# KiCad board ebaz4205.kicad_pcb (continued)
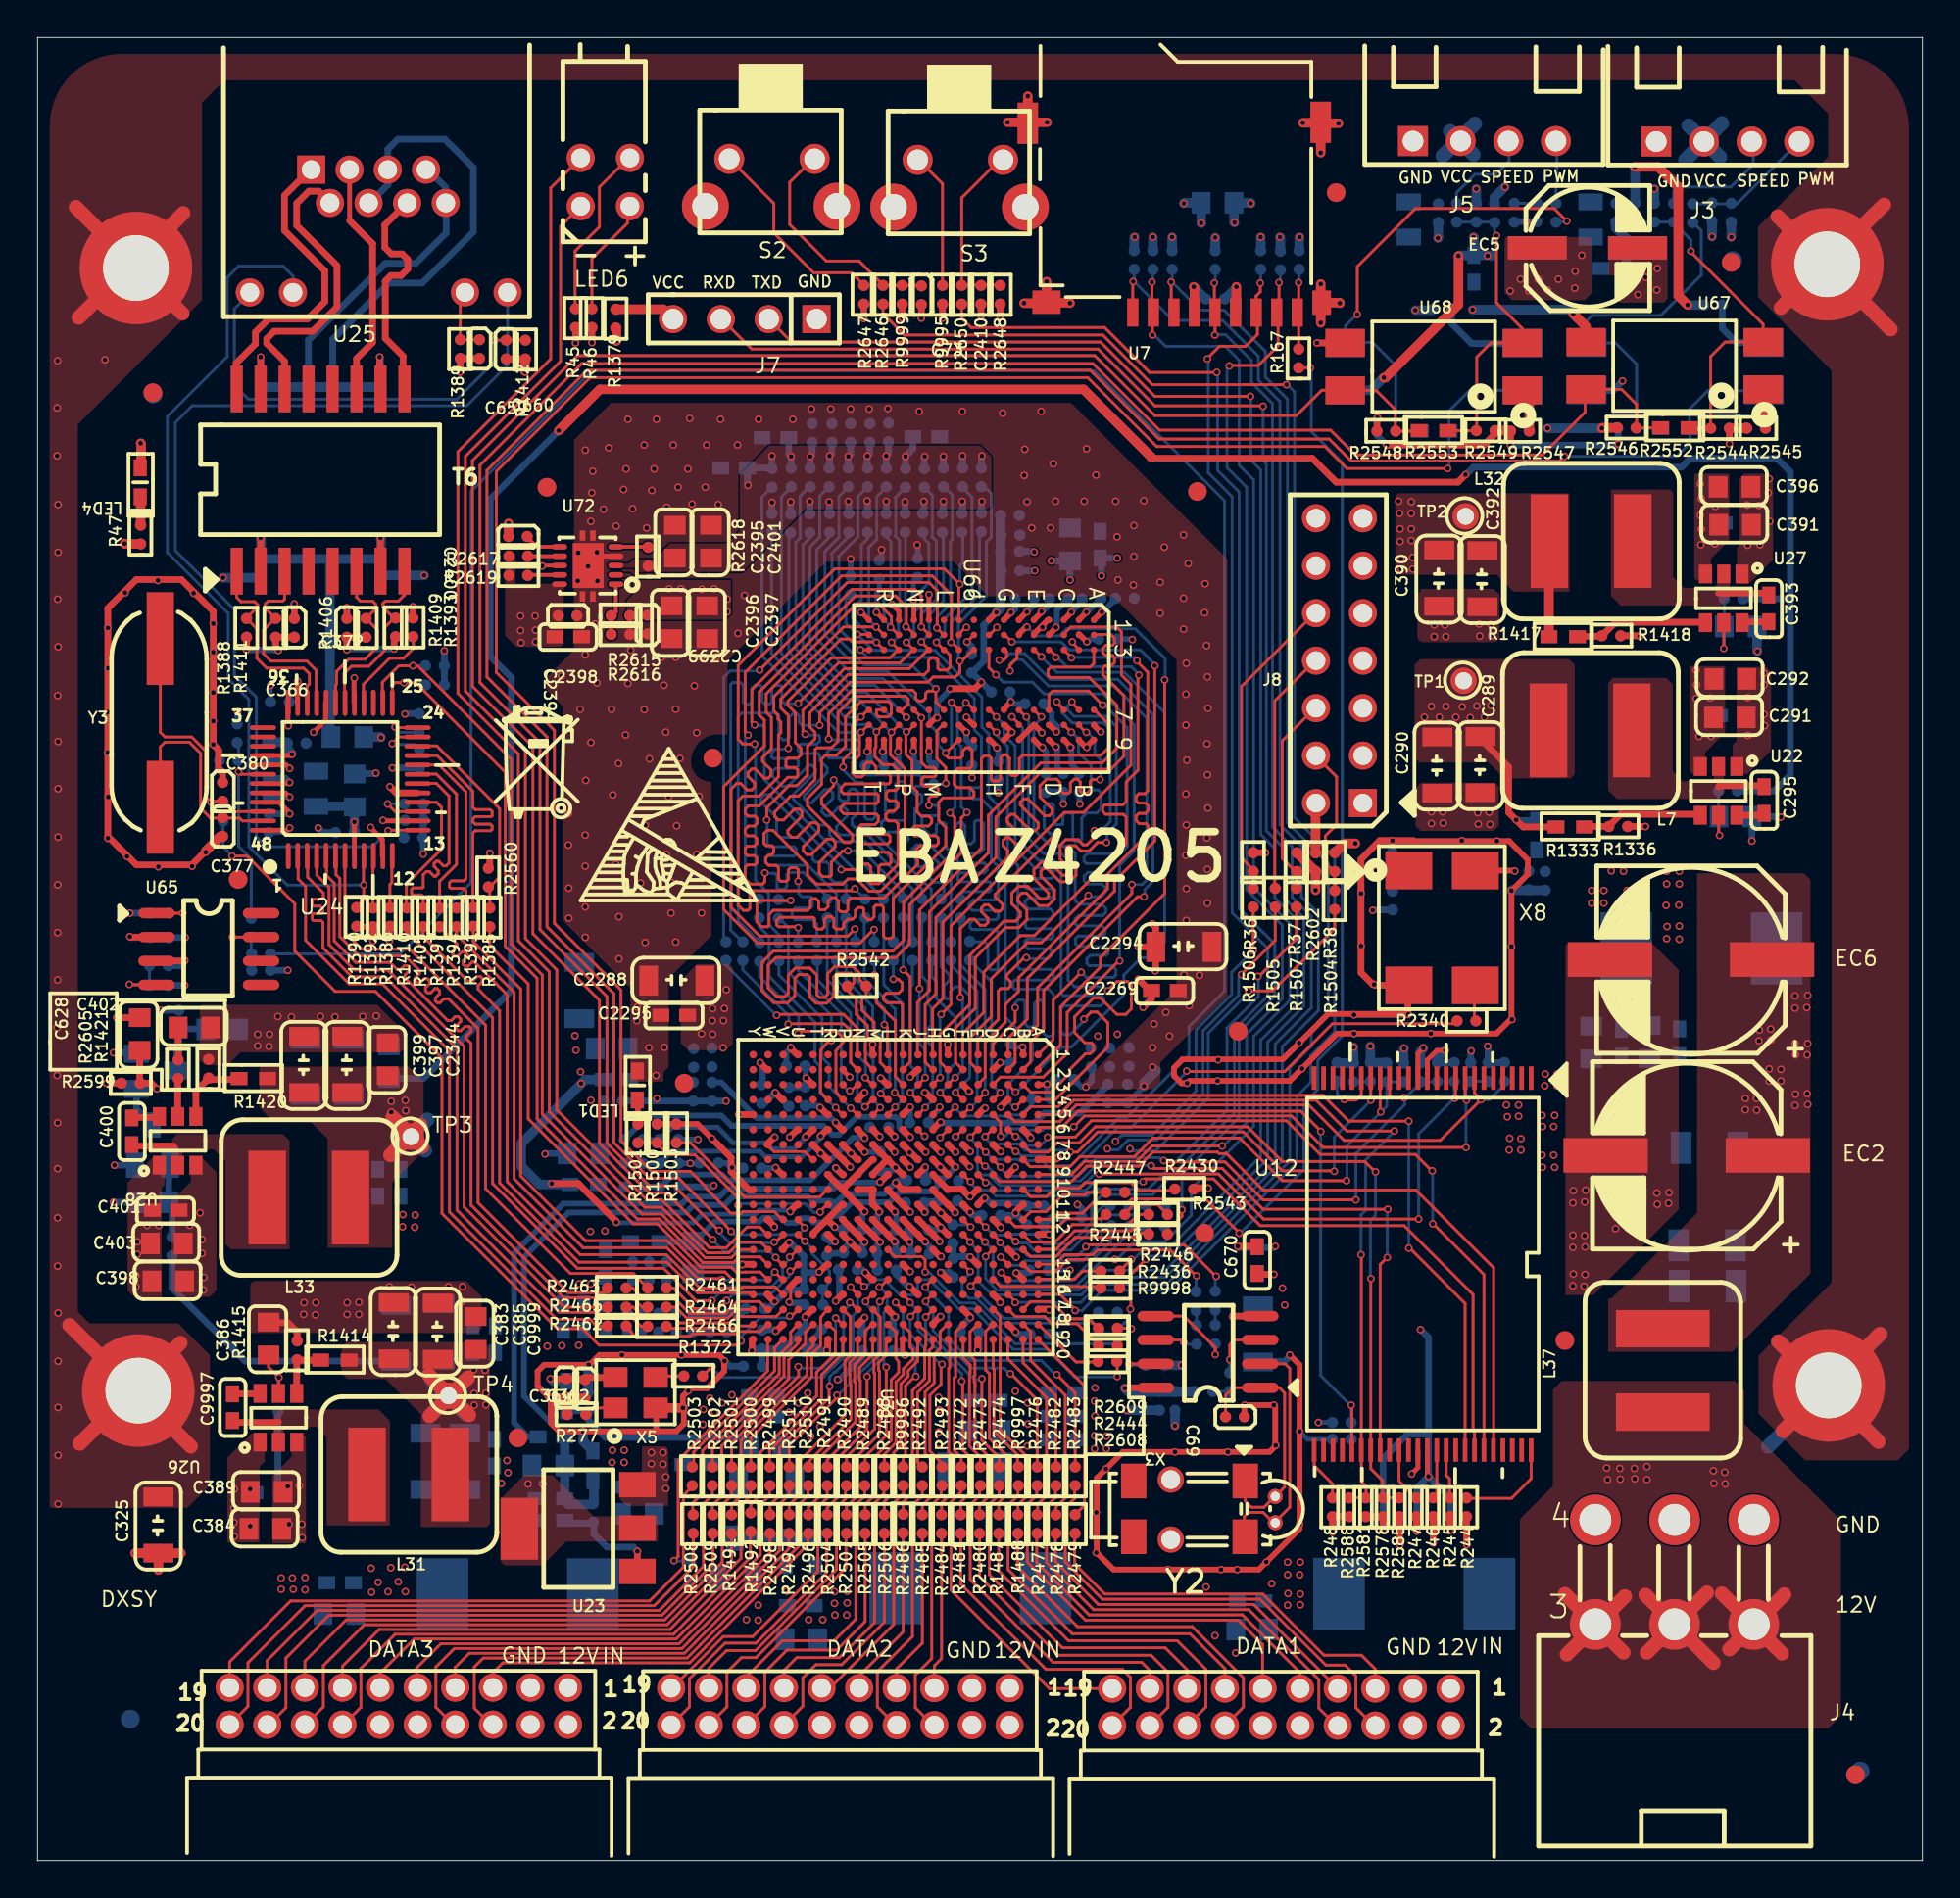
[diagram p0: board, top side]
## Routing (per net, layer and track width the routed paths; a pad name or vN(x,y) marks a point on that pad's centre or on a via; arc(x,y) is an arc through that point) (continued)
DATA3-14_0: length 12.1
  Top Layer w0.152: U31.R19 42.56,28.27 42.56,27.05 41.56,26.06 41.56,24.78 38.55,21.78 38.55,19.5 38.05,19 R1492.2
DATA3-15_0: length 11.5
  Top Layer w0.152: v1(40.58,26.35) 40.6,26.33 40.6,25.85 37.03,22.28 37.03,21.03 37.05,21 ; 42.93,28.63 42.6,28.95 42.6,28.95
  Bottom Layer w0.152: 42.55,28.8 42.58,28.78 42.58,26.98 41.88,26.28 40.65,26.28 v1(40.58,26.35)
  vias: v1(42.58,28.95)
DATA3-16_0: length 11.2
  Top Layer w0.152: 41.38,27.83 41.38,27.48 41.05,27.15 41.05,25.93 37.53,22.4 37.53,19.48 37.03,18.98 R1491.2
DATA3-17_0: length 8.7
  Top Layer w0.152: 40.58,27.85 40.58,27.6 39.82,26.85 39.82,25.85 36,22.03 R2502.2
DATA3-18_0: length 12.3
  Top Layer w0.152: 36,18.5 36,18.95 36.5,19.45 36.5,22.13 40.08,25.7 40.08,26.73 40.96,27.58 40.96,28.19 41.32,28.57 41.32,28.63
DATA3-19_0: length 8.7
  Top Layer w0.152: 39.7,27.75 39.31,27.36 39.31,26.12 35,21.8 35,21
DATA3-20_0: length 12.5
  Top Layer w0.152: 34.95,18.45 34.95,19.08 35.48,19.6 35.48,21.88 39.57,25.97 39.57,26.99 40.18,27.58 40.18,28.19 40.51,28.56 40.51,28.63
DDR-A0_0: length 36.3
  Top Layer w0.152: v1(46.35,65) 46.7,64.65 46.75,64.65 46,63.9 42.73,63.9 v1(40.58,61.75)
  Bottom Layer w0.152: 46.45,65.08 46.75,65.38 46.75,65.65 46.75,65.66 46.75,66.57 47.13,66.96 47.13,67.45 47.13,67.45 47.13,67.75 47.55,68.18 47.55,70.28 47.3,70.53 47.3,70.88 ; R2517.2 37.6,49.03 36.98,49.65 36.98,62.75 37.08,62.85 37.5,62.85 37.65,62.7 37.65,61.8 37.75,61.7 37.98,61.7 38.13,61.85 38.13,62.58 38.28,62.73 38.53,62.73 38.65,62.6 38.65,61.85 38.8,61.7 39.05,61.7 39.18,61.83 39.18,62.58 39.3,62.7 39.63,62.7 39.7,62.63 39.7,61.9 39.88,61.73 40.53,61.73
DDR-A1_0: length 47
  Top Layer w0.152: v1(46.35,61) 45.95,61.4 46.13,61.4 46.45,61.73 46.45,61.98 46.3,62.13 43.58,62.13 42.7,61.25 42.7,59.73 42.35,59.38 41.58,59.38 41.48,59.28 41.48,57.68 40.6,56.8 40.18,56.8 39.33,55.95 39.33,55.7 39.5,55.53 39.8,55.53 40.38,56.1 40.65,56.1 40.78,55.98 40.78,55.73 40.03,54.98 40.03,54.8 40.23,54.6 40.5,54.6 41.28,55.38 41.53,55.38 41.68,55.23 41.68,54.93 40.85,54.1 40.85,53.88 41.05,53.68 41.28,53.68 42.1,54.5 42.4,54.5 42.55,54.35 42.55,54.1 41.7,53.25 41.7,52.68 41.88,52.5 42.28,52.5 42.35,52.58 42.35,53.28 42.95,53.88 v1(43.23,53.88)
  Bottom Layer w0.152: R2622.1 41.73,72.8 41.73,70.6 41.2,70.08 41.2,64.9 43.4,62.7 44.68,62.7 46.35,61.03 v1(46.35,61) ; R2518.2 46.18,51.7 44,53.88 v1(43.23,53.88)
DDR-A2_0: length 39
  Top Layer w0.152: v1(45.55,65) 45.9,64.65 45.95,64.65 45.48,64.18 42.35,64.18 40.03,61.85 40.03,61.65 40.43,61.25 40.43,59.65 40.73,59.35 40.73,59 40.55,58.83 40.03,58.83 39.93,58.73 39.93,58.4 40,58.33 40.43,58.33 40.55,58.2 40.55,57.88 40.48,57.8 40.03,57.8 38.5,56.28 37.93,56.28 37.75,56.1 37.75,55.88 37.9,55.73 38.28,55.73 38.4,55.6 38.4,55.35 38.25,55.2 37.93,55.2 37.75,55.03 37.75,54.8 37.88,54.68 38.23,54.68 38.38,54.53 38.38,54.28 38.23,54.13 37.88,54.13 37.75,54 37.75,53.75 37.88,53.63 38.25,53.63 38.38,53.5 38.38,53.23 38.28,53.13 37.88,53.13 37.75,53 37.75,52.38 38.03,52.1 38.68,52.1 ; 38.8,52.73 38.8,52.23 38.68,52.1 ; 38.68,52.1 38.73,52.15
  Bottom Layer w0.152: 38.93,52.68 39.33,52.68 39.45,52.55 39.45,51.93 39.55,51.83 39.83,51.83 39.98,51.98 39.98,52.6 40.1,52.73 40.85,52.73 42.13,51.45 R2519.2 ; 45.58,64.98 45.93,65.33 45.93,65.66 45.92,65.66 45.92,66 45.98,66.06 45.98,70.45 45.78,70.65 45.78,72.75 R2623.1
  vias: v1(38.8,52.7)
DDR-A3_0: length 39.3
  Top Layer w0.152: 46.35,65.83 46.38,65.83 46.75,65.45 ; 46.35,65.83 46.35,65.83 v1(46.33,65.83) ; 46.35,65.83 46.35,66.9 45.78,67.48 43.63,67.48 38.5,62.35 38.5,61.13 38.78,60.85 38.78,59.48 36.6,57.3 36.6,50.75 38.4,48.95 43.88,48.95 44.6,49.68 v1(44.63,49.68)
  Bottom Layer w0.152: R2520.2 v1(44.63,49.68) ; 46.35,70.88 46.3,70.83 46.3,65.86 v1(46.33,65.83) 46.35,65.85
DDR-A4_0: length 45.7
  Top Layer w0.152: 45.95,60.58 45.93,60.58 v1(45.55,60.2) 45.5,60.15 45.5,59.36 45.5,59.35 45.5,59.01 45.74,58.77 45.76,58.77 46.28,58.25 46.28,53.03 44.98,51.73 44.35,51.73 43.7,52.38 43.23,52.38 42.95,52.1 41.55,52.1 41.08,52.58 41.08,53.13 39.23,54.98 38.93,54.98 38.75,54.8 38.75,54.28 38.88,54.15 39.18,54.15 39.28,54.05 39.28,53.8 39.13,53.65 39,53.65 38.85,53.5 38.85,53.25 39,53.1 39.4,53.1 39.53,52.98 39.53,52.38 39.65,52.25 39.95,52.25 40.05,52.35 40.05,52.85 40.18,52.98 40.48,52.98 40.58,52.88 v1(40.58,52.25)
  Bottom Layer w0.152: R2625.1 41.18,73.3 40.68,72.8 40.68,70.58 40.45,70.35 40.45,64.65 43.13,61.98 43.78,61.98 45.5,60.25 ; 40.6,52.2 40.6,51.6 40.78,51.43 41.25,51.43 41.33,51.35 41.33,50.93 41.23,50.83 40.43,50.83 40.25,50.65 40.25,50.38 40.43,50.2 41.35,50.2 41.58,49.98 R2521.2
DDR-A5_0: length 38.9
  Top Layer w0.152: v1(43.6,49.7) 43.23,49.33 38.53,49.33 37,50.85 37,57.18 37.3,57.48 37.5,57.48 37.85,57.13 38.1,57.13 38.25,57.28 38.25,57.5 37.9,57.85 37.9,58.05 38.1,58.25 38.28,58.25 38.78,57.75 38.98,57.75 39.13,57.9 39.13,58.2 38.68,58.65 38.68,58.85 39.15,59.33 39.15,61 38.88,61.28 38.88,62.25 43.7,67.08 44.85,67.08 45.55,66.38 45.55,65.8 ; 45.53,65.8 45.88,65.45 45.95,65.45
  Bottom Layer w0.152: R2626.1 45.28,70.63 45.53,70.38 45.53,67.68 45.15,67.3 45.15,66.78 45.16,66.77 45.16,66.43 45.15,66.43 45.15,66.23 45.53,65.85 ; v1(43.6,49.7) 43.63,49.68 R2522.2
  vias: v1(45.5,65.8)
DDR-A6_0: length 42.6
  Top Layer w0.152: 45.15,60.58 45.1,60.58 v1(44.75,60.23) 44.73,60.2 44.73,59.4 44.67,59.35 44.67,58.91 45.1,58.48 45.63,58.48 45.9,58.2 45.9,57.23 45.78,57.1 45.4,57.1 45.28,56.98 45.28,56.7 45.43,56.55 45.78,56.55 45.9,56.43 45.9,56.2 45.7,56 45.43,56 45.25,55.83 45.25,55.63 45.4,55.48 45.75,55.48 45.9,55.33 45.9,53.15 44.88,52.13 44.45,52.13 43.7,52.88 v1(42.88,52.88)
  Bottom Layer w0.152: R2523.2 43.13,52.08 43,52.2 42.5,52.2 42.25,52.45 42.25,53.13 42.1,53.28 41.5,53.28 41.35,53.43 41.35,53.93 40.68,54.6 39.6,54.6 39.43,54.78 39.43,55.65 38.6,56.48 38.6,56.7 38.78,56.88 39.03,56.88 42.93,52.98 42.93,52.8 ; R2627.1 39.15,70.85 39.15,64.4 42.93,60.62 44.1,60.62 44.1,60.63 44.35,60.63 v1(44.75,60.23)
DDR-A7_0: length 36.2
  Top Layer w0.152: 45.15,65.45 45.1,65.45 v1(44.73,65.83) 44.18,65.83 44.17,65.83 43.01,65.83 39.28,62.1 39.28,61.35 39.5,61.13 39.5,60.9 39.65,60.75 39.65,60.18 39.53,60.05 39.53,57.83 38.5,56.8 37.63,56.8 37.38,56.55 37.38,50.98 37.65,50.7 37.9,50.7 38,50.8 38,51.55 38.2,51.75 43.5,51.75 v1(43.6,51.85)
  Bottom Layer w0.152: 43.68,51.78 R2524.2 ; 44.7,65.85 44.35,66.21 44.35,70.07 44.78,70.5 44.78,72.78 45.28,73.28 R2628.1
DDR-A8_0: length 48.4
  Top Layer w0.152: 43.88,53.38 44.08,53.18 44.3,53.18 44.45,53.03 44.45,52.6 44.55,52.5 44.8,52.5 44.88,52.58 44.88,53.03 45,53.15 45.43,53.15 45.53,53.25 45.53,53.65 45.38,53.8 43.83,53.8 43.73,53.9 43.73,54.18 43.8,54.25 45.35,54.25 45.48,54.38 45.48,54.65 45.38,54.75 43.95,54.75 43.83,54.88 43.83,55.15 43.95,55.28 44.68,55.28 44.85,55.45 44.85,55.73 44.73,55.85 43.03,55.85 42.85,56.03 42.85,56.2 43.05,56.4 44.75,56.4 44.85,56.5 44.85,56.85 44.78,56.93 43,56.93 42.88,57.05 42.88,57.25 43.08,57.45 45.4,57.45 45.5,57.55 45.5,57.88 45.38,58 44.78,58 44.73,58.05 44.73,58.38 44.5,58.6 44.25,58.6 44.1,58.45 44.1,57.95 43.98,57.83 43.65,57.83 43.48,58 43.48,58.6 43.85,58.97 43.85,60.07 43.88,60.1 43.88,60.15 v1(43.93,60.2) 44.3,60.58 44.35,60.58
  Bottom Layer w0.152: v1(43.93,60.2) 42.73,60.2 38.65,64.28 38.65,72.75 39.08,73.18 39.1,73.18 ; 43.89,53.36 45.65,51.6 R2525.2
  vias: v1(43.85,53.4)
DDR-A9_0: length 37.8
  Top Layer w0.152: 45.15,64.65 45.1,64.65 v1(44.75,65) 44.73,65.03 43.9,65.03 43.9,65.02 43.48,65.02 43.33,65.18 42.85,65.18 39.65,61.98 39.65,61.5 40.05,61.1 v1(40.05,59.35)
  Bottom Layer w0.152: R2526.2 46.68,51.85 44.15,54.38 42.6,54.38 42.25,54.73 42.25,55.13 42.13,55.25 41.7,55.25 40.33,56.63 40.33,56.9 41.5,58.08 41.5,58.25 41.3,58.45 41.15,58.45 40.03,57.33 39.73,57.33 39.2,57.85 39.2,58.1 39.38,58.28 40.45,58.28 40.58,58.4 40.58,58.68 40.45,58.8 39.25,58.8 39.15,58.9 39.15,59.1 39.35,59.3 40.03,59.3 ; R2630.1 44.28,70.53 43.95,70.2 43.95,67.28 43.48,66.8 43.48,66.3 44.68,65.1 44.68,65
DDR-A10_0: length 42.4
  Top Layer w0.152: v1(42.2,59.85) 42.2,61.2 43.45,62.45 46.68,62.45 46.85,62.28 46.85,62 46.98,61.88 47.23,61.88 47.38,62.03 47.38,62.28 47.5,62.4 47.8,62.4 v1(47.93,62.53) 47.93,61.83 48.35,61.4
  Bottom Layer w0.152: 42.33,59.83 42.35,59.8 43.78,59.8 43.88,59.7 43.88,59.45 43.73,59.3 42.28,59.3 42.13,59.15 42.13,58.93 42.23,58.83 43.43,58.83 43.65,58.6 43.65,58.05 43.78,57.93 47.05,57.93 47.23,57.75 47.23,57.48 47.08,57.33 46.85,57.33 46.68,57.15 46.68,57.05 46.83,56.9 47.1,56.9 47.18,56.83 47.18,56.48 46.8,56.1 46.8,55 48.73,53.08 R2527.2 ; R2631.1 43.28,70.65 42.38,69.75 42.38,65.53 44.1,63.8 46.63,63.8 47.85,62.58 47.85,62.55
DDR-A11_0: length 42.4
  Top Layer w0.152: v1(42.48,57.65) 42.48,57.35 41.83,56.7 41.83,56.38 43.48,54.73 43.48,54.45 43.35,54.33 43.03,54.33 41.08,56.28 41.08,56.68 41.83,57.43 41.83,58.78 42.03,58.98 42.63,58.98 43.1,59.45 43.1,61.03 v1(43.58,61.5) 43.93,61.85 45.4,61.85 45.55,61.7 45.55,61.2 45.38,61.03 44.88,61.03 44.75,61.15 44.75,61.38 44.78,61.4 45.15,61.4
  Bottom Layer w0.152: 47.68,49.05 47.68,51.83 44.38,55.13 43.6,55.13 43.45,55.28 43.45,55.58 43.78,55.9 43.78,57 43.6,57.18 43.4,57.18 43.25,57.03 43.25,56.58 43.2,56.53 42.9,56.53 42.75,56.68 42.75,57.38 v1(42.48,57.65) ; R2632.1 40.08,70.75 40.08,64.5 43.08,61.5 43.5,61.5
DDR-A12_0: length 42.9
  Top Layer w0.152: v1(47.55,56.3) 47.55,56.68 47.68,56.8 47.95,56.8 48.05,56.9 48.05,57.18 47.9,57.33 47.28,57.33 47.15,57.45 47.15,57.7 47.28,57.83 47.85,57.83 47.93,57.9 47.93,58.23 47.83,58.33 47.43,58.33 47.15,58.6 47.15,59.03 47.15,59.03 47.15,59.37 47.15,59.38 47.15,61 46.75,61.4
  Bottom Layer w0.152: 47.63,56.3 47.93,56.3 48.08,56.15 48.08,55.83 48,55.75 47.28,55.75 47.18,55.65 47.18,55.15 47.6,54.73 47.83,54.73 47.95,54.85 47.95,55.25 48.08,55.38 48.35,55.38 48.45,55.28 48.45,54.08 48.55,53.98 48.83,53.98 48.98,54.13 48.98,55.23 49.13,55.38 49.33,55.38 49.48,55.23 49.48,54.35 49.58,54.25 49.8,54.25 49.98,54.43 49.98,55.4 50.08,55.5 50.3,55.5 50.48,55.33 50.48,53.98 50.25,53.75 49.2,53.75 49.08,53.63 49.08,53.35 49.2,53.23 50.5,53.23 50.65,53.08 50.65,52.85 50.5,52.7 49.2,52.7 49.1,52.6 49.1,52.33 49.2,52.23 50.78,52.23 50.85,52.15 50.85,51.8 50.75,51.7 49.4,51.7 49.2,51.5 49.2,51.3 ; v1(47.15,60.98) 47.15,61.03 45.1,63.08 43.68,63.08 41.58,65.18 41.58,69.95 42.18,70.55 42.18,70.8
DDR-A13_0: length 41.7
  Top Layer w0.152: 43.85,64.6 44.3,64.6 44.35,64.65
  Bottom Layer w0.152: R2634.1 43.78,72.8 43.78,70.63 42.75,69.6 42.75,65.73 44.28,64.2 47.78,64.2 49.98,62 49.98,60.33 50.35,59.95 50.35,57.35 50.25,57.25 49.8,57.25 49.73,57.18 49.73,56.83 49.9,56.65 50.35,56.65 50.88,56.13 50.88,53.4 51.25,53.03 51.25,51.4 51.1,51.25 49.93,51.25 49.7,51.03 49.7,50.85 49.85,50.7 51.15,50.7 51.25,50.6 51.25,50.33 51.13,50.2 49.93,50.2 49.75,50.03 49.75,49.78 49.85,49.68 51.1,49.68 51.23,49.55 51.23,47.58 51.18,47.53 50.85,47.53 50.7,47.68 50.7,48.85 50.53,49.03 49.8,49.03
  vias: v1(43.9,64.6)
DDR-A14_0: length 41.5
  Top Layer w0.152: 44.35,61.4 44.3,61.4 v1(43.93,61.03) 43.45,60.55 43.45,59.2 42.98,58.73 v1(42.98,58.35)
  Bottom Layer w0.152: R2531.2 48.35,51.45 48.35,52.08 48.23,52.2 47.83,52.2 47.6,52.43 47.6,52.63 48.08,53.1 48.08,53.23 47.88,53.43 47.63,53.43 47.23,53.03 46.98,53.03 46.85,53.15 46.85,53.4 47.28,53.83 47.28,54.05 47.13,54.2 46.9,54.2 46.45,53.75 46.3,53.75 46.1,53.95 46.1,54.13 46.45,54.48 46.45,54.73 46.3,54.88 45.15,54.88 45.03,55 45.03,55.4 45.13,55.5 46.2,55.5 46.3,55.6 46.3,57.45 46.18,57.58 45.93,57.58 45.78,57.43 45.78,56.08 45.63,55.93 45.33,55.93 45.23,56.03 45.23,57.38 45.1,57.5 44.88,57.5 44.68,57.3 44.68,55.68 44.55,55.55 44.28,55.55 44.13,55.7 44.13,57.4 44,57.53 43.65,57.53 43,58.18 43,58.3 ; 40.18,73.25 39.68,72.75 39.68,64.4 43.08,61 43.9,61 v1(43.93,61.03)
DDR-BA0_0: length 36
  Top Layer w0.152: v1(38.25,60.6) 38.1,60.75 38.1,62.48 43.45,67.83 46.8,67.83 47.15,67.48 v1(47.15,65.83) 47.53,65.45 47.55,65.45
  Bottom Layer w0.152: v1(47.15,65.83) 47.15,66.5 47.96,67.31 47.96,67.97 47.95,67.98 47.95,70.4 47.73,70.63 47.73,72.85 R2636.1 ; 38.2,60.58 38.65,60.58 38.78,60.45 38.78,57.68 45.13,51.33 R2514.2
DDR-BA1_0: length 41.3
  Top Layer w0.152: v1(40.18,51.23) 38.53,51.23 38.38,51.08 38.38,50.08 38.63,49.83 38.95,49.83 39.03,49.9 39.03,50.48 39.25,50.7 41.08,50.7 41.23,50.85 41.23,51.23 41.33,51.33 41.53,51.33 41.68,51.18 41.68,50.8 41.75,50.73 42,50.73 42.18,50.9 42.18,51.2 42.35,51.38 42.55,51.38 42.73,51.2 42.73,50.75 42.85,50.63 43.13,50.63 43.23,50.73 43.23,51.23 43.35,51.35 45.15,51.35 46.95,53.15 46.95,53.38 46.75,53.58 46.75,53.83 47.08,54.15 47.93,54.15 48.05,54.28 48.05,54.55 47.93,54.68 46.78,54.68 46.65,54.8 46.65,55.05 46.8,55.2 47.53,55.2 47.7,55.38 47.7,55.58 47.55,55.73 47.15,55.73 46.93,55.95 46.93,57.03 46.65,57.3 46.65,58.7 46.32,59.03 46.32,60.2 v1(46.35,60.23) 46.4,60.23 46.75,60.58
  Bottom Layer w0.152: v1(46.35,60.23) 46.33,60.23 44.23,62.33 43.3,62.33 40.83,64.8 40.83,70.2 41.23,70.6 41.23,70.73 ; R2515.2 39.63,51.18 40.05,51.18
DDR-BA2_0: length 35.6
  Top Layer w0.152: v1(40.95,60.1) 40.83,60.23 40.83,61.38 43.05,63.6 46.5,63.6 47.55,64.65 47.53,64.65 v1(47.15,65.03)
  Bottom Layer w0.152: R2516.2 47.18,51.85 44.3,54.73 42.78,54.73 42.63,54.88 42.63,55.18 43.2,55.75 43.2,56.03 43.03,56.2 42.75,56.2 42.3,55.75 42.05,55.75 41.85,55.95 41.85,56.1 42.43,56.68 42.43,56.98 42.25,57.15 42,57.15 41.28,56.43 41.13,56.43 40.9,56.65 40.9,56.83 42.13,58.05 42.13,58.3 41.73,58.7 41.73,58.98 41.63,59.08 40.73,59.08 40.58,59.23 40.58,59.43 40.73,59.58 41.58,59.58 41.73,59.73 41.73,59.98 41.65,60.05 41.05,60.05 ; v1(47.15,65.03) 47.57,65.45 47.57,66.45 48.33,67.2 48.33,70.88
DDR-CAS_0: length 35.6
  Top Layer w0.152: v1(37.9,60.05) 37.75,60.2 37.75,63.4 42.9,68.55 47.73,68.55 48.75,67.53 48.75,65.03 49.13,64.65 49.15,64.65
  Bottom Layer w0.152: R2533.2 37.75,52.05 37.75,59.93 37.83,60 ; 50.35,70.88 50.25,70.78 50.25,67.58 48.73,66.05 v1(48.73,65)
DDR-CK#_0: length 38.9
  Top Layer w0.152: R2542.1 43.38,46.65 43.55,46.83 43.55,47.2 43.4,47.35 42.68,47.35 42.48,47.15 42.48,46.13 42.1,45.75 41.53,45.75 41.2,46.08 41.2,47.13 41.05,47.28 40.6,47.28 40.4,47.08 40.4,46.15 40.03,45.78 39.28,45.78 38.65,46.4 38.65,47.93 39.25,48.53 45.63,48.53 46.2,49.1 46.2,51.15 48.93,53.88 48.93,55.65 v1(48.68,55.9) ; 48.73,61.8 v1(48.75,61.8) 49.15,61.4 ; 44.53,42.2 44.16,42.64 44.16,43.78 44.28,43.95 44.28,44.55 43.68,45.15 43.68,45.98 43.28,46.38 43.28,46.55
  Bottom Layer w0.152: v1(48.75,61.8) 48.75,59.5 48.95,59.3 48.95,56.2 48.65,55.9
DDR-CK_0: length 39.2
  Top Layer w0.152: v1(49.58,55.93) 49.28,55.63 49.28,53.75 46.53,51 46.53,48.93 45.78,48.18 39.38,48.18 38.98,47.78 38.98,46.55 39.43,46.1 39.88,46.1 40.05,46.28 40.05,47.25 40.43,47.63 41.2,47.63 41.58,47.25 41.58,46.2 41.73,46.05 41.98,46.05 42.15,46.23 42.15,47.33 42.53,47.7 43.5,47.7 43.85,47.35 43.85,47 R2542.2 ; 49.95,61.4 49.55,61.8 49.55,61.83 ; 45.34,42.2 44.95,42.59 44.95,43.38 44.96,43.38 44.96,43.82 44.63,44.15 44.63,44.73 43.98,45.38 43.98,45.95 44.2,46.18 44.2,46.6
  Bottom Layer w0.152: 49.53,61.75 49.08,61.3 49.08,59.65 49.28,59.45 49.28,56.23 v1(49.58,55.93)
  vias: v1(49.53,61.78)
DDR-CKE_0: length 49.2
  Top Layer w0.152: 40.58,49.83 39.53,49.83 39.43,49.93 39.43,50.15 39.6,50.33 41.38,50.33 41.45,50.25 41.45,49.85 41.6,49.7 41.85,49.7 41.98,49.83 41.98,50.23 42.13,50.38 42.35,50.38 42.48,50.25 42.48,49.83 42.6,49.7 42.9,49.7 43,49.8 43,50 43.23,50.23 43.48,50.23 43.63,50.38 43.63,50.7 43.78,50.85 44,50.85 44.08,50.78 44.08,50.43 44.3,50.2 44.48,50.2 44.63,50.35 44.63,50.88 44.73,50.98 45.03,50.98 45.13,50.88 45.13,49.33 45.25,49.2 45.53,49.2 45.65,49.33 45.65,51.35 48.45,54.15 48.45,55.13 48.08,55.5 48.08,56.48 48.3,56.7 49.85,56.7 49.95,56.8 49.95,57.03 49.73,57.25 49.08,57.25 48.9,57.43 48.9,58.08 49.1,58.28 49.73,58.28 49.85,58.4 49.85,59.25 49.73,59.38 49.53,59.38 49.35,59.2 49.35,58.95 49.23,58.83 48.6,58.83 48.45,58.98 v1(48.45,59.1) 49.15,59.8
  Bottom Layer w0.152: 48.38,59.2 48.05,59.53 48.05,60.15 47.58,60.63 47.58,61.23 45.35,63.45 43.93,63.45 42,65.38 42,69.85 42.75,70.6 42.75,72.78 43.25,73.28 R2644.1 ; R2536.2 40.58,49.73
  vias: v1(40.58,49.78)
DDR-CS_0: length 38.3
  Top Layer w0.152: 48.35,65.45 48.3,65.45 v1(47.98,65.78) 47.93,65.83 48,65.9 48,66.05 48,66.06 48,66.35 48,66.35 48,67.75 47.55,68.2 43.2,68.2 v1(38.53,63.53)
  Bottom Layer w0.152: 36.68,49.08 36.6,49.15 36.6,63.13 36.95,63.48 38.48,63.48 v1(38.53,63.53) ; v1(47.98,65.78) 47.98,66.33 48.7,67.05 48.7,70.38 48.8,70.48 48.8,72.85 48.4,73.25
DDR-DQ0_0: length 33
  Top Layer w0.152: 53.15,64.65 53.15,64.63 v1(53.55,64.23) ; 51.77,41.4 52.17,41 v1(52.18,41)
  Bottom Layer w0.152: 52.25,41.05 52.28,41.05 54.63,43.4 55.15,43.4 57.95,46.2 57.95,47.25 58.88,48.18 59.3,48.18 60.13,49 60.13,61.25 57.98,63.4 54.38,63.4 v1(53.55,64.23)
DDR-DQ1_0: length 32.6
  Top Layer w0.152: 52.35,61.4 52.73,61.03 v1(52.75,61.03) ; 52.57,41.4 52.98,41 54.05,41 55.08,42.03 55.08,42.23 55.9,43.05 56.15,43.05 56.33,43.23 56.33,43.53 56.23,43.63 55.88,43.63 55.33,44.18 55.33,45.03 56.33,46.03 56.7,46.03 57.58,45.15 58.05,45.15 58.35,45.45 58.35,46.7 58.15,46.9 57.58,46.9 57.1,46.43 v1(57.1,46.4)
  Bottom Layer w0.152: v1(57.1,46.4) 56.88,46.63 55.33,46.63 54.98,46.98 54.98,53.38 54.63,53.73 53.68,53.73 52.88,54.53 52.88,60.9 v1(52.75,61.03)
DDR-DQ2_0: length 33.6
  Top Layer w0.152: 53.38,42.2 53.38,42.33 54.58,43.53 54.58,45.55 56.7,47.68 56.7,48.18 60.13,51.6 v1(60.13,63) 60.1,63.03
  Top Layer w0.305: 52.35,65.45 52.75,65.85
  Bottom Layer w0.152: 60.15,63.08 60.15,64.13 58.55,65.73 54.9,65.73 54.53,65.35 53.28,65.35 52.8,65.83
  vias: v1(52.78,65.83)
DDR-DQ3_0: length 32.6
  Top Layer w0.152: 53.38,40.61 54.31,40.61 57.1,43.4 57.1,44.7 56.53,45.28 56.2,45.28 v1(55.83,44.9) ; v1(51.98,61.03) 52.35,60.65 52.35,60.58
  Bottom Layer w0.152: v1(55.83,44.9) 55.83,44.83 55.08,44.08 54.75,44.08 54.58,44.25 54.58,45.43 54.75,45.6 56.7,45.6 56.88,45.78 56.88,46 56.73,46.15 54.73,46.15 54.6,46.28 54.6,52.98 54.2,53.38 53.4,53.38 52.55,54.23 52.55,60.45 52.05,60.95
DDR-DQ4_0: length 33.7
  Top Layer w0.152: 50.75,64.65 50.75,63.65 v1(51.13,63.28) ; v1(57.73,48) 57.68,48 54.93,45.25 54.93,43.08 53.65,41.8 51.36,41.8 50.97,41.4
  Bottom Layer w0.152: v1(51.13,63.28) 51.53,62.88 53.08,62.88 53.7,62.25 56.85,62.25 58.5,60.6 58.5,53.88 57.73,53.1 57.73,48.03 57.78,47.98
DDR-DQ5_0: length 32.6
  Top Layer w0.152: v1(52.15,45.5) 52.15,44.75 50.97,43.57 50.97,43 ; v1(51.15,60.2) 50.78,60.58 50.75,60.58
  Bottom Layer w0.152: 51.18,60.25 51.18,60.03 51.75,59.45 51.75,53.65 52.3,53.1 52.3,47.68 52.43,47.55 54.05,47.55 54.2,47.4 54.2,47.1 54.08,46.98 52.13,46.98 52.03,46.88 52.03,46.6 52.13,46.5 53.93,46.5 54.2,46.23 54.2,44.13 54.05,43.98 53.85,43.98 53.65,44.18 53.65,45.78 53.5,45.93 53.38,45.93 53.18,45.73 53.18,44.6 53.05,44.48 52.85,44.48 52.68,44.65 52.68,45.83 52.58,45.93 52.33,45.93 52.15,45.75 v1(52.15,45.5)
DDR-DQ6_0: length 32.9
  Top Layer w0.152: 51.77,43 51.77,43.87 52.8,44.9 52.8,47.08 57.45,51.73 57.45,52.25 59.6,54.4 v1(59.6,63.75) ; 51.55,65.45 v1(51.98,65.03)
  Bottom Layer w0.152: v1(51.98,65.03) 54.6,65.03 55.03,64.6 58.83,64.6 59.7,63.73
DDR-DQ7_0: length 33.8
  Top Layer w0.152: v1(52.75,48.18) 52.63,48.18 51.7,47.25 51.7,47.1 51.9,46.9 51.9,46.65 51.78,46.53 51.38,46.53 51.25,46.4 51.25,44.88 50.16,43.79 50.16,43 ; v1(51.15,61.03) 50.78,61.4 50.75,61.4
  Bottom Layer w0.152: v1(51.15,61.03) 51.56,60.62 51.56,60.05 51.81,59.8 51.83,59.8 52.15,59.48 52.15,54 53.18,52.98 54,52.98 54.2,52.78 54.2,52.53 54.08,52.4 52.85,52.4 52.68,52.23 52.68,51.98 52.8,51.85 54.05,51.85 54.2,51.7 54.2,51.5 54.05,51.35 52.85,51.35 52.68,51.18 52.68,50.98 52.88,50.78 54.03,50.78 54.18,50.63 54.18,50.43 53.98,50.23 52.83,50.23 52.7,50.1 52.7,49.83 52.8,49.73 54.05,49.73 54.18,49.6 54.18,49.3 54.05,49.18 52.8,49.18 52.68,49.05 52.68,48.83 52.85,48.65 54.03,48.65 54.08,48.6 54.08,48.28 53.93,48.13 52.8,48.13 v1(52.75,48.18)
DDR-DQ8_0: length 32.7
  Top Layer w0.152: v1(56.83,61.65) 56.08,62.4 54.15,62.4 53.95,62.2 53.95,61.4 ; 50.16,42.2 50.13,42.2 49.75,42.58 49.75,43.9 50.88,45.03 50.88,47.05 52.8,48.98 53.55,48.98 56.05,51.48 v1(56.05,51.5)
  Bottom Layer w0.152: 56.95,61.6 56.98,61.6 58.13,60.45 58.13,54.1 57.75,53.73 56,53.73 55.83,53.55 55.83,53.33 55.95,53.2 56.73,53.2 56.88,53.05 56.88,52.85 56.75,52.73 56.03,52.73 55.83,52.53 55.83,52.28 56,52.1 56.78,52.1 56.95,51.93 56.95,51.65 56.73,51.43 56.13,51.43 v1(56.05,51.5)
DDR-DQ9_0: length 32.7
  Top Layer w0.152: 50.16,41.4 50.55,41.8 50.55,43.65 51.63,44.73 51.63,45.68 52.33,46.38 52.33,47.1 57.08,51.85 57.08,52.63 59.25,54.8 59.25,55.2 59.13,55.33 58.78,55.33 58.6,55.5 58.6,55.73 58.75,55.88 59.1,55.88 59.25,56.03 59.25,56.28 59.1,56.43 58.73,56.43 58.6,56.55 58.6,56.78 58.75,56.93 59.08,56.93 59.23,57.08 59.23,63.4 58.6,64.03 ; 55.15,64.2 54.75,64.6 54.75,64.65
  Bottom Layer w0.152: 55.15,64.2 58.48,64.2 v1(58.65,64.03)
  vias: v1(55.15,64.18)
DDR-DQ10_0: length 33.2
  Top Layer w0.152: v1(54.43,54.78) 54.3,54.78 51.08,51.55 51.08,51.43 51.48,51.03 51.48,50.8 51.33,50.65 51.08,50.65 50.73,51 50.53,51 50.35,50.83 50.35,50.63 50.7,50.28 50.7,50.05 50.55,49.9 50.3,49.9 49.98,50.23 49.73,50.23 49.23,49.73 v1(49.23,46.05) 49.25,46.05 ; v1(55.15,60.2) 54.78,60.58 54.75,60.58 ; 48.55,41.4 48.93,41.78 v1(48.95,41.78)
  Bottom Layer w0.152: v1(55.15,60.2) 55.18,60.2 55.53,59.85 55.53,59.13 56.2,58.45 56.2,57.28 56.35,57.13 56.58,57.13 56.73,56.98 56.73,56.13 56.5,55.9 55.98,55.9 55.7,55.63 55.7,54.48 55.6,54.38 55.35,54.38 55.23,54.5 55.23,55.78 55.1,55.9 54.85,55.9 54.7,55.75 54.7,55.33 54.65,55.28 54.25,55.28 54.2,55.33 54.2,56.3 54.1,56.4 53.88,56.4 53.7,56.23 53.7,55.1 54.03,54.78 54.33,54.78 ; 49.28,45.95 49.35,45.88 49.35,42.18 v1(48.95,41.78)
DDR-DQ11_0: length 32.8
  Top Layer w0.152: 47.75,41.4 47.75,41.4 48.13,41.78 ; 48.18,45.13 v1(48.2,45.15) 48.73,45.68 48.73,49.88 54.78,55.93 55.8,55.93 58.33,58.45 58.33,62.75 57.83,63.25 57.83,65.55 57.55,65.83 55.13,65.83 54.75,65.45
  Bottom Layer w0.152: v1(48.2,45.15) 48.15,45.1 48.15,43.38 48.15,43.38 v1(48.15,41.78) 48.1,41.73
DDR-DQ12_0: length 32.7
  Top Layer w0.152: 56.35,61.4 56.38,61.4 57.2,60.58 57.2,59.45 56.73,58.98 52.55,58.98 52.38,58.8 52.38,58.05 52.23,57.9 51.98,57.9 51.85,58.03 51.85,58.83 51.68,59 51.53,59 51.38,58.85 51.38,57.73 51.25,57.6 50.95,57.6 50.88,57.68 50.88,58.83 50.75,58.95 50.5,58.95 50.35,58.8 50.35,54.03 47.05,50.73 v1(47.05,46.53) ; 46.95,41.4 46.98,41.4 v1(47.35,41.78)
  Bottom Layer w0.152: 47.05,46.43 47.05,43.58 47.35,43.28 v1(47.35,41.78)
DDR-DQ13_0: length 32.6
  Top Layer w0.152: 56.43,65.43 57.25,65.43 57.45,65.23 57.45,64.95 57.35,64.85 57,64.85 56.83,64.68 56.83,64.45 56.98,64.3 57.35,64.3 57.45,64.2 57.45,63.93 57.28,63.75 56.95,63.75 56.83,63.63 56.83,63.28 57.95,62.15 57.95,58.93 57.25,58.23 53.68,58.23 51.13,55.68 51.13,53.53 47.93,50.33 47.93,46.25 47.35,45.68 47.35,42.6 47.75,42.2
DDR-DQ14_0: length 33
  Top Layer w0.152: 55.55,60.58 55.93,60.2 v1(55.95,60.2) ; v1(56.68,57.68) 56.25,57.68 56.15,57.58 56.15,57.1 56,56.95 55.75,56.95 55.63,57.08 55.63,57.55 55.48,57.7 55.3,57.7 55.1,57.5 55.1,57.05 55,56.95 54.73,56.95 54.55,57.13 54.55,57.53 54.38,57.7 53.83,57.7 53.48,57.35 53.48,56.75 54.13,56.1 54.13,55.9 53.98,55.75 53.73,55.75 52.83,56.65 52.6,56.65 52.43,56.48 52.43,56.33 53.38,55.38 53.38,55.1 53.23,54.95 52.98,54.95 52.1,55.83 51.93,55.83 51.73,55.63 51.73,55.43 52.6,54.55 52.6,54.35 52.5,54.25 52.18,54.25 51.85,54.58 51.65,54.58 51.5,54.43 51.5,54.15 51.75,53.9 51.75,53.53 48.3,50.08 48.3,46 47.75,45.45 47.75,43
  Bottom Layer w0.152: v1(55.95,60.2) 56,60.2 56.4,59.8 56.4,59.05 56.73,58.73 56.73,57.73
DDR-DQ15_0: length 32.9
  Top Layer w0.152: 46.95,43 46.95,45.8 47.58,46.43 47.58,50.63 50.73,53.78 50.73,55.78 53.53,58.58 56.8,58.58 57.58,59.35 57.58,61.65 56.1,63.13 54.03,63.13 53.9,63.25 53.9,63.53 54.05,63.68 56.15,63.68 56.35,63.88 56.35,64.58
DDR-LDM_0: length 32.8
  Top Layer w0.152: v1(53.55,61.03) 53.53,61.03 53.15,61.4 ; v1(55.68,47.4) 54.18,45.9 54.18,43.8 U31.A1
  Bottom Layer w0.152: 53.53,60.93 53.15,60.55 53.15,55.03 54.05,54.13 54.98,54.13 55.35,53.75 55.35,51.23 55.55,51.03 56.78,51.03 57,50.8 57,50.6 56.83,50.43 55.53,50.43 55.35,50.25 55.35,50 55.48,49.88 56.78,49.88 56.95,49.7 56.95,49.48 56.8,49.33 55.5,49.33 55.38,49.2 55.38,48.9 55.5,48.78 57,48.78 57.1,48.68 57.1,48.4 57,48.3 56.15,48.3 55.98,48.13 55.98,47.88 56.1,47.75 57.33,47.75 57.53,47.55 57.53,47.25 57.4,47.13 55.95,47.13 v1(55.68,47.4)
DDR-LDQS#_0: length 32.6
  Top Layer w0.152: 52.57,42.2 52.98,42.61 52.98,43.68 53.68,44.38 53.68,46.43 58.68,51.43 v1(59.03,51.43) ; 51.55,64.65 51.7,64.5 51.7,64.23 51.53,64.05 v1(51.3,64.05)
  Bottom Layer w0.152: 59.08,51.48 59.08,51.83 59.5,52.25 59.5,61.15 57.63,63.03 54.03,63.03 52.65,64.4 51.88,64.4 51.53,64.05 v1(51.3,64.05)
DDR-LDQS_0: length 32.7
  Top Layer w0.152: 51.77,42.2 52.15,42.59 52.15,43.23 52.15,43.23 52.15,43.7 52.45,44 52.78,44 53.35,44.58 53.35,46.58 58.38,51.6 v1(58.38,52.08) ; 52.35,64.65 52.25,64.55 52.25,64.15 51.88,63.78 v1(51.88,63.48)